# KiCad board poly_kb_molecule_5x4_wave.kicad_pcb (continued)
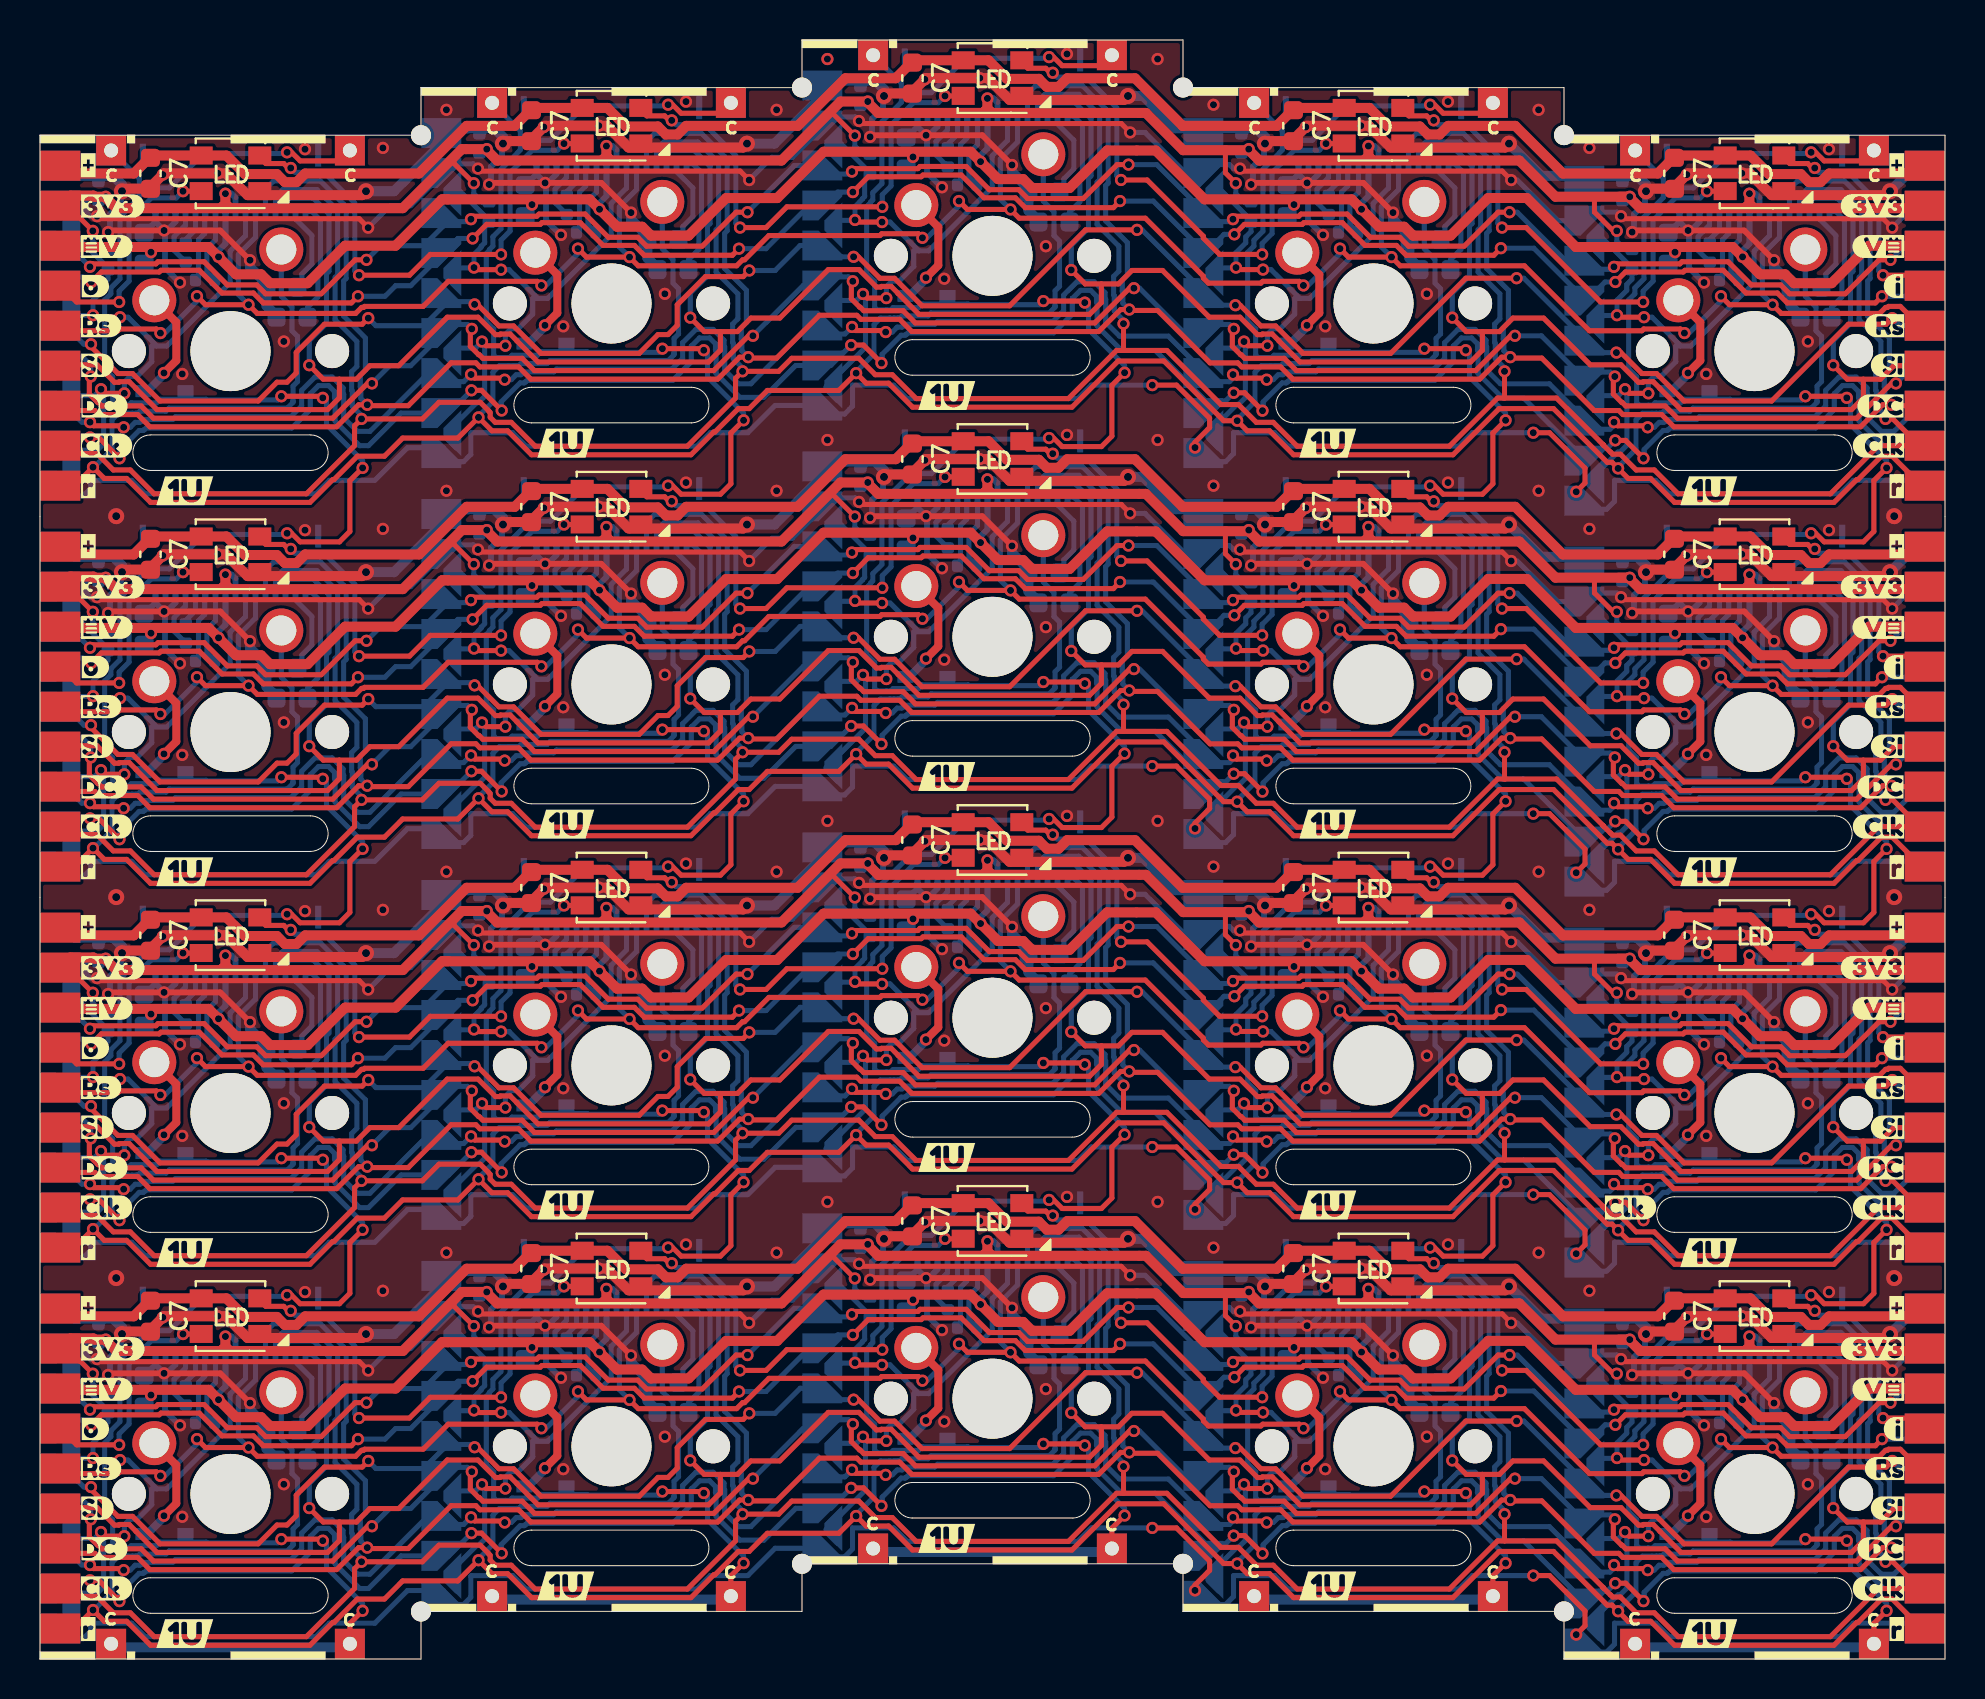
[diagram p0: board, top side]
## Placement (name value [footprint] x y rotation side) (continued)
kibuzzard-61EFDAC6#4  G***  [kibuzzard-61EFDAC6]  92.79 30.56 0 top
kibuzzard-61EFDAEE  G***  [kibuzzard-61EFDAEE]  3.05 28.58 0 top
kibuzzard-61EFDAEE#2  G***  [kibuzzard-61EFDAEE]  3.05 47.63 0 top
kibuzzard-61EFDAEE#3  G***  [kibuzzard-61EFDAEE]  3.05 66.68 0 top
kibuzzard-61EFDAEE#4  G***  [kibuzzard-61EFDAEE]  3.05 9.53 0 top
kibuzzard-61EFDD1E  G***  [kibuzzard-61EFDD1E]  7.24 20.32 0 top
kibuzzard-61EFDD1E#2  G***  [kibuzzard-61EFDD1E]  64.39 3.65 0 top
kibuzzard-61EFDD1E#3  G***  [kibuzzard-61EFDD1E]  64.39 22.7 0 top
kibuzzard-61EFDD1E#4  G***  [kibuzzard-61EFDD1E]  83.44 39.37 0 top
kibuzzard-61EFDD1E#5  G***  [kibuzzard-61EFDD1E]  7.24 58.42 0 top
kibuzzard-61EFDD1E#6  G***  [kibuzzard-61EFDD1E]  7.24 1.27 0 top
kibuzzard-61EFDD1E#7  G***  [kibuzzard-61EFDD1E]  64.39 41.75 0 top
kibuzzard-61EFDD1E#8  G***  [kibuzzard-61EFDD1E]  26.29 41.75 0 top
kibuzzard-61EFDD1E#9  G***  [kibuzzard-61EFDD1E]  64.39 60.8 0 top
kibuzzard-61EFDD1E#10  G***  [kibuzzard-61EFDD1E]  7.24 39.37 0 top
kibuzzard-61EFDD1E#11  G***  [kibuzzard-61EFDD1E]  45.34 6.03 0 top
kibuzzard-61EFDD1E#12  G***  [kibuzzard-61EFDD1E]  26.29 60.8 0 top
kibuzzard-61EFDD1E#13  G***  [kibuzzard-61EFDD1E]  45.34 44.13 0 top
kibuzzard-61EFDD1E#14  G***  [kibuzzard-61EFDD1E]  83.44 1.27 0 top
kibuzzard-61EFDD1E#15  G***  [kibuzzard-61EFDD1E]  45.34 25.08 0 top
kibuzzard-61EFDD1E#16  G***  [kibuzzard-61EFDD1E]  26.29 22.7 0 top
kibuzzard-61EFDD1E#17  G***  [kibuzzard-61EFDD1E]  26.29 3.65 0 top
kibuzzard-61EFDD1E#18  G***  [kibuzzard-61EFDD1E]  83.44 20.32 0 top
kibuzzard-61EFDD1E#19  G***  [kibuzzard-61EFDD1E]  45.34 63.18 0 top
kibuzzard-61EFDD1E#20  G***  [kibuzzard-61EFDD1E]  83.44 58.42 0 top
LED1  -  [WS2812B-Mini]  9.53 74.3 0 top
LED1#2  -  [WS2812B-Mini]  85.72 74.3 0 top
LED1#3  -  [WS2812B-Mini]  9.53 36.19 0 top
LED1#4  -  [WS2812B-Mini]  85.72 55.24 0 top
LED1#5  -  [WS2812B-Mini]  85.72 17.14 0 top
LED1#6  -  [WS2812B-Mini]  66.68 57.63 0 top
LED1#7  -  [WS2812B-Mini]  28.58 38.58 0 top
LED1#8  -  [WS2812B-Mini]  47.63 60.01 0 top
LED1#9  -  [WS2812B-Mini]  47.63 79.06 0 top
LED1#10  -  [WS2812B-Mini]  66.68 19.53 0 top
LED1#11  -  [WS2812B-Mini]  28.58 57.63 0 top
LED1#12  -  [WS2812B-Mini]  47.63 21.91 0 top
LED1#13  -  [WS2812B-Mini]  28.58 19.53 0 top
LED1#14  -  [WS2812B-Mini]  66.68 38.58 0 top
LED1#15  -  [WS2812B-Mini]  28.58 76.68 0 top
LED1#16  -  [WS2812B-Mini]  9.53 17.14 0 top
LED1#17  -  [WS2812B-Mini]  66.68 76.68 0 top
LED1#18  -  [WS2812B-Mini]  85.72 36.19 0 top
LED1#19  -  [WS2812B-Mini]  9.53 55.24 0 top
LED1#20  -  [WS2812B-Mini]  47.63 40.96 0 top
NOREF  -  [unnamed]  57.15 78.59 0 top
NOREF#2  -  [unnamed]  38.1 4.76 0 top
NOREF#3  -  [unnamed]  19.05 2.38 0 top
NOREF#4  -  [unnamed]  38.1 78.59 0 top
NOREF#5  -  [unnamed]  76.2 2.38 0 top
NOREF#6  -  [unnamed]  57.15 4.76 0 top
NOREF#7  -  [unnamed]  76.2 76.2 0 top
NOREF#8  -  [unnamed]  19.05 76.2 0 top
R1  1M  [R_0402_1005Metric]  79.6 31.86 270 bottom
R1#2  1M  [R_0402_1005Metric]  41.5 36.62 270 bottom
R1#3  1M  [R_0402_1005Metric]  3.4 31.86 270 bottom
R1#4  1M  [R_0402_1005Metric]  3.4 12.81 270 bottom
R1#5  1M  [R_0402_1005Metric]  79.6 50.91 270 bottom
R1#6  1M  [R_0402_1005Metric]  60.55 53.29 270 bottom
R1#7  1M  [R_0402_1005Metric]  22.45 15.19 270 bottom
R1#8  1M  [R_0402_1005Metric]  41.5 74.72 270 bottom
R1#9  1M  [R_0402_1005Metric]  60.55 15.19 270 bottom
R1#10  1M  [R_0402_1005Metric]  79.6 69.96 270 bottom
R1#11  1M  [R_0402_1005Metric]  60.55 72.34 270 bottom
R1#12  1M  [R_0402_1005Metric]  79.6 12.81 270 bottom
R1#13  1M  [R_0402_1005Metric]  3.4 69.96 270 bottom
R1#14  1M  [R_0402_1005Metric]  22.45 53.29 270 bottom
R1#15  1M  [R_0402_1005Metric]  41.5 17.57 270 bottom
R1#16  1M  [R_0402_1005Metric]  41.5 55.67 270 bottom
R1#17  1M  [R_0402_1005Metric]  3.4 50.91 270 bottom
R1#18  1M  [R_0402_1005Metric]  22.45 72.34 270 bottom
R1#19  1M  [R_0402_1005Metric]  60.55 34.24 270 bottom
R1#20  1M  [R_0402_1005Metric]  22.45 34.24 270 bottom
SW1  SW_Push  [SW_Cherry_MX_1.00u_PCB_NoSilk]  12.07 70.48 0 top
SW1#2  SW_Push  [SW_Cherry_MX_1.00u_PCB_NoSilk]  50.16 75.25 0 top
SW1#3  SW_Push  [SW_Cherry_MX_1.00u_PCB_NoSilk]  88.26 51.44 0 top
SW1#4  SW_Push  [SW_Cherry_MX_1.00u_PCB_NoSilk]  12.07 51.44 0 top
SW1#5  SW_Push  [SW_Cherry_MX_1.00u_PCB_NoSilk]  69.22 72.87 0 top
SW1#6  SW_Push  [SW_Cherry_MX_1.00u_PCB_NoSilk]  31.12 72.87 0 top
SW1#7  SW_Push  [SW_Cherry_MX_1.00u_PCB_NoSilk]  12.07 32.39 0 top
SW1#8  SW_Push  [SW_Cherry_MX_1.00u_PCB_NoSilk]  12.07 13.33 0 top
SW1#9  SW_Push  [SW_Cherry_MX_1.00u_PCB_NoSilk]  50.16 18.1 0 top
SW1#10  SW_Push  [SW_Cherry_MX_1.00u_PCB_NoSilk]  88.26 70.48 0 top
SW1#11  SW_Push  [SW_Cherry_MX_1.00u_PCB_NoSilk]  50.16 56.2 0 top
SW1#12  SW_Push  [SW_Cherry_MX_1.00u_PCB_NoSilk]  31.12 34.77 0 top
SW1#13  SW_Push  [SW_Cherry_MX_1.00u_PCB_NoSilk]  69.22 15.72 0 top
SW1#14  SW_Push  [SW_Cherry_MX_1.00u_PCB_NoSilk]  69.22 53.82 0 top
SW1#15  SW_Push  [SW_Cherry_MX_1.00u_PCB_NoSilk]  50.16 37.15 0 top
SW1#16  SW_Push  [SW_Cherry_MX_1.00u_PCB_NoSilk]  31.12 15.72 0 top
SW1#17  SW_Push  [SW_Cherry_MX_1.00u_PCB_NoSilk]  88.26 32.39 0 top
SW1#18  SW_Push  [SW_Cherry_MX_1.00u_PCB_NoSilk]  88.26 13.33 0 top
SW1#19  SW_Push  [SW_Cherry_MX_1.00u_PCB_NoSilk]  31.12 53.82 0 top
SW1#20  SW_Push  [SW_Cherry_MX_1.00u_PCB_NoSilk]  69.22 34.77 0 top

## Library data of the parts
C1 C1#2-C1#20 C2 C2#2-C2#20 = -: LCSC: C23630
C3 C3#2-C3#20 C5 C5#2-C5#20 C6 C6#2-C6#20 = -: LCSC: C52923
C4 C4#2-C4#20 C7 C7#2-C7#20 = -: LCSC: C19666
D1 D1#2-D1#20 = -: LCSC: C169468
J1 J1#2-J1#20 = -: LCSC: C561388
LED1 LED1#2-LED1#20 = -: LCSC: C527089

## Footprints (pads in the part's own frame, mm; a bottom-side part is the same pattern mirrored in y, then rotated)
AtomConnect2
  rect 1.5x2 smd: 1(-8,0) 2(-6,0) 3(-4,0) 4(-2,0) 5(0,0) 6(2,0) 7(4,0) 8(6,0) 9(8,0)
AtomConnectCS
  rect 1.5x2 smd: 1(-8,0)
  custom 1.5x2 smd: 2(-6,0.5) 3(-4,0.5) 4(-2,0.5) 5(0,0.5) 6(2,0.5) 7(4,0.5) 8(6,0.5) 9(8,0.5)
  custom 2.3x0.9 smd: 10(-5.5,-0.75) 10(-1.5,-0.75) 10(2.5,-0.75) 10(6.5,-0.75)
C_0402_1005Metric
  rrect 0.56x0.62 smd: 1(-0.48,0) 2(0.48,0)
C_0603_1608Metric
  rrect 0.9x0.95 smd: 1(-0.775,0) 2(0.775,0)
D_SOD-323Ext
  rect 0.8x0.6 smd: 1(-1.05,0) 2(1.05,0)
FPC_16_JUSHUO_AFC05_S16FIA_00
  rect 0.3x1.15 smd: 0(-4.385,-2.81) 0(4.385,-2.81)
  rect 0.3x0.65 smd: 1(-3.75,0) 2(-3.25,0) 3(-2.75,0) 4(-2.25,0) 5(-1.75,0) 6(-1.25,0) 7(-0.75,0) 8(-0.25,0) 9(0.25,0) 10(0.75,0) 11(1.25,0) 12(1.75,0) 13(2.25,0) 14(2.75,0) 15(3.25,0) 16(3.75,0)
R_0402_1005Metric
  rrect 0.54x0.64 smd: 1(-0.51,0) 2(0.51,0)
SW_Cherry_MX_1.00u_PCB_NoSilk
  round 1.7 hole 1.7 unplated: (-7.62,-5.08) (2.54,-5.08)
  round 4 hole 4 unplated: (-2.54,-5.08)
  round 2.2 hole 1.5: 1(0,0) 2(-6.35,-2.54)
TestPoin_1.5x1.5mm_Drill0.7mm
  rect 1.5x1.5 hole 0.7: 1(0,0)
unnamed
  round 1 hole 1 unplated: (0,0)
WS2812B-Mini
  rect 1.15x0.9 smd: 1(-1.465,0.89) 2(-1.465,-0.89) 3(1.465,-0.89) 4(1.465,0.89)

## Nets
/Keyboard/sheet605ED2EB/3V3: C3.1 C3#2.1 C3#3.1 C3#4.1 C3#5.1 C3#6.1 C3#7.1 C3#8.1 C3#9.1 C3#10.1 C3#11.1 C3#12.1 C3#13.1 C3#14.1 C3#15.1 C3#16.1 C3#17.1 C3#18.1 C3#19.1 C3#20.1 J1.9 J1#2.9 J1#3.9 J1#4.9 J1#5.9 J1#6.9 J1#7.9 J1#8.9 J1#9.9 J1#10.9 J1#11.9 J1#12.9 J1#13.9 J1#14.9 J1#15.9 J1#16.9 J1#17.9 J1#18.9 J1#19.9 J1#20.9 J3.2 J3#2.2 J3#3.2 J3#4.2 J4.2 J4#2.2 J4#3.2 J4#4.2 R1.1 R1#2.1 R1#3.1 R1#4.1 R1#5.1 R1#6.1 R1#7.1 R1#8.1 R1#9.1 R1#10.1 R1#11.1 R1#12.1 R1#13.1 R1#14.1 R1#15.1 R1#16.1 R1#17.1 R1#18.1 R1#19.1 R1#20.1
/Keyboard/sheet605ED2EB/4V2: C2.1 C2#2.1 C2#3.1 C2#4.1 C2#5.1 C2#6.1 C2#7.1 C2#8.1 C2#9.1 C2#10.1 C2#11.1 C2#12.1 C2#13.1 C2#14.1 C2#15.1 C2#16.1 C2#17.1 C2#18.1 C2#19.1 C2#20.1 J1.8 J1#2.8 J1#3.8 J1#4.8 J1#5.8 J1#6.8 J1#7.8 J1#8.8 J1#9.8 J1#10.8 J1#11.8 J1#12.8 J1#13.8 J1#14.8 J1#15.8 J1#16.8 J1#17.8 J1#18.8 J1#19.8 J1#20.8 J3.3 J3#2.3 J3#3.3 J3#4.3 J4.3 J4#2.3 J4#3.3 J4#4.3
/Keyboard/sheet605ED2EB/5V: C7.1 C7#2.1 C7#3.1 C7#4.1 C7#5.1 C7#6.1 C7#7.1 C7#8.1 C7#9.1 C7#10.1 C7#11.1 C7#12.1 C7#13.1 C7#14.1 C7#15.1 C7#16.1 C7#17.1 C7#18.1 C7#19.1 C7#20.1 J3.1 J3#2.1 J3#3.1 J3#4.1 J4.1 J4#2.1 J4#3.1 J4#4.1 LED1.1 LED1#2.1 LED1#3.1 LED1#4.1 LED1#5.1 LED1#6.1 LED1#7.1 LED1#8.1 LED1#9.1 LED1#10.1 LED1#11.1 LED1#12.1 LED1#13.1 LED1#14.1 LED1#15.1 LED1#16.1 LED1#17.1 LED1#18.1 LED1#19.1 LED1#20.1
/Keyboard/sheet605ED2EB/GND: C1.2 C1#2.2 C1#3.2 C1#4.2 C1#5.2 C1#6.2 C1#7.2 C1#8.2 C1#9.2 C1#10.2 C1#11.2 C1#12.2 C1#13.2 C1#14.2 C1#15.2 C1#16.2 C1#17.2 C1#18.2 C1#19.2 C1#20.2 C2.2 C2#2.2 C2#3.2 C2#4.2 C2#5.2 C2#6.2 C2#7.2 C2#8.2 C2#9.2 C2#10.2 C2#11.2 C2#12.2 C2#13.2 C2#14.2 C2#15.2 C2#16.2 C2#17.2 C2#18.2 C2#19.2 C2#20.2 C3.2 C3#2.2 C3#3.2 C3#4.2 C3#5.2 C3#6.2 C3#7.2 C3#8.2 C3#9.2 C3#10.2 C3#11.2 C3#12.2 C3#13.2 C3#14.2 C3#15.2 C3#16.2 C3#17.2 C3#18.2 C3#19.2 C3#20.2 C4.2 C4#2.2 C4#3.2 C4#4.2 C4#5.2 C4#6.2 C4#7.2 C4#8.2 C4#9.2 C4#10.2 C4#11.2 C4#12.2 C4#13.2 C4#14.2 C4#15.2 C4#16.2 C4#17.2 C4#18.2 C4#19.2 C4#20.2 C7.2 C7#2.2 C7#3.2 C7#4.2 C7#5.2 C7#6.2 C7#7.2 C7#8.2 C7#9.2 C7#10.2 C7#11.2 C7#12.2 C7#13.2 C7#14.2 C7#15.2 C7#16.2 C7#17.2 C7#18.2 C7#19.2 C7#20.2 J1.1 J1.3 J1#2.1 J1#2.3 J1#3.1 J1#3.3 J1#4.1 J1#4.3 J1#5.1 J1#5.3 J1#6.1 J1#6.3 J1#7.1 J1#7.3 J1#8.1 J1#8.3 J1#9.1 J1#9.3 J1#10.1 J1#10.3 J1#11.1 J1#11.3 J1#12.1 J1#12.3 J1#13.1 J1#13.3 J1#14.1 J1#14.3 J1#15.1 J1#15.3 J1#16.1 J1#16.3 J1#17.1 J1#17.3 J1#18.1 J1#18.3 J1#19.1 J1#19.3 J1#20.1 J1#20.3 J5.1 J5#2.1 J5#3.1 J5#4.1 J5#5.1 J5#6.1 J5#7.1 J5#8.1 J5#9.1 J5#10.1 J5#11.1 J5#12.1 J5#13.1 J5#14.1 J5#15.1 J5#16.1 J5#17.1 J5#18.1 J5#19.1 J5#20.1 J6.1 J6#2.1 J6#3.1 J6#4.1 LED1.3 LED1#2.3 LED1#3.3 LED1#4.3 LED1#5.3 LED1#6.3 LED1#7.3 LED1#8.3 LED1#9.3 LED1#10.3 LED1#11.3 LED1#12.3 LED1#13.3 LED1#14.3 LED1#15.3 LED1#16.3 LED1#17.3 LED1#18.3 LED1#19.3 LED1#20.3
/Keyboard/sheet605ED2EB/CS: J1.10 J1#2.10 J1#3.10 J1#4.10 J1#5.10 J1#6.10 J1#7.10 J1#8.10 J1#9.10 J1#10.10 J1#11.10 J1#12.10 J1#13.10 J1#14.10 J1#15.10 J1#16.10 J1#17.10 J1#18.10 J1#19.10 J1#20.10 J5.10 J5#2.10 J5#3.10 J5#4.10 J5#5.10 J5#6.10 J5#7.10 J5#8.10 J5#9.10 J5#10.10 J5#11.10 J5#12.10 J5#13.10 J5#14.10 J5#15.10 J5#16.10 J5#17.10 J5#18.10 J5#19.10 J5#20.10 R1.2 R1#2.2 R1#3.2 R1#4.2 R1#5.2 R1#6.2 R1#7.2 R1#8.2 R1#9.2 R1#10.2 R1#11.2 R1#12.2 R1#13.2 R1#14.2 R1#15.2 R1#16.2 R1#17.2 R1#18.2 R1#19.2 R1#20.2
/Keyboard/sheet605ED2EB/D-C: J1.12 J1#2.12 J1#3.12 J1#4.12 J1#5.12 J1#6.12 J1#7.12 J1#8.12 J1#9.12 J1#10.12 J1#11.12 J1#12.12 J1#13.12 J1#14.12 J1#15.12 J1#16.12 J1#17.12 J1#18.12 J1#19.12 J1#20.12 J3.7 J3#2.7 J3#3.7 J3#4.7 J4.7 J4#2.7 J4#3.7 J4#4.7
/Keyboard/sheet605ED2EB/KeyCol: D1.1 D1#2.1 D1#3.1 D1#4.1 D1#5.1 D1#6.1 D1#7.1 D1#8.1 D1#9.1 D1#10.1 D1#11.1 D1#12.1 D1#13.1 D1#14.1 D1#15.1 D1#16.1 D1#17.1 D1#18.1 D1#19.1 D1#20.1 J2.1 J2#2.1 J2#3.1 J2#4.1 J2#5.1 J7.1 J7#2.1 J7#3.1 J7#4.1 J7#5.1 J8.1 J8#2.1 J8#3.1 J8#4.1 J8#5.1 J9.1 J9#2.1 J9#3.1 J9#4.1 J9#5.1
/Keyboard/sheet605ED2EB/KeyRow: J3.9 J3#2.9 J3#3.9 J3#4.9 J4.9 J4#2.9 J4#3.9 J4#4.9 SW1.1 SW1#2.1 SW1#3.1 SW1#4.1 SW1#5.1 SW1#6.1 SW1#7.1 SW1#8.1 SW1#9.1 SW1#10.1 SW1#11.1 SW1#12.1 SW1#13.1 SW1#14.1 SW1#15.1 SW1#16.1 SW1#17.1 SW1#18.1 SW1#19.1 SW1#20.1
/Keyboard/sheet605ED2EB/LED_DIN: J3.4 J3#2.4 J3#3.4 J3#4.4 J4.4 J4#2.4 J4#3.4 J4#4.4 LED1.2 LED1.4 LED1#2.2 LED1#2.4 LED1#3.2 LED1#3.4 LED1#4.2 LED1#4.4 LED1#5.2 LED1#5.4 LED1#6.2 LED1#6.4 LED1#7.2 LED1#7.4 LED1#8.2 LED1#8.4 LED1#9.2 LED1#9.4 LED1#10.2 LED1#10.4 LED1#11.2 LED1#11.4 LED1#12.2 LED1#12.4 LED1#13.2 LED1#13.4 LED1#14.2 LED1#14.4 LED1#15.2 LED1#15.4 LED1#16.2 LED1#16.4 LED1#17.2 LED1#17.4 LED1#18.2 LED1#18.4 LED1#19.2 LED1#19.4 LED1#20.2 LED1#20.4
/Keyboard/sheet605ED2EB/RESET: J1.11 J1#2.11 J1#3.11 J1#4.11 J1#5.11 J1#6.11 J1#7.11 J1#8.11 J1#9.11 J1#10.11 J1#11.11 J1#12.11 J1#13.11 J1#14.11 J1#15.11 J1#16.11 J1#17.11 J1#18.11 J1#19.11 J1#20.11 J3.5 J3#2.5 J3#3.5 J3#4.5 J4.5 J4#2.5 J4#3.5 J4#4.5
/Keyboard/sheet605ED2EB/SCLK: J1.13 J1#2.13 J1#3.13 J1#4.13 J1#5.13 J1#6.13 J1#7.13 J1#8.13 J1#9.13 J1#10.13 J1#11.13 J1#12.13 J1#13.13 J1#14.13 J1#15.13 J1#16.13 J1#17.13 J1#18.13 J1#19.13 J1#20.13 J3.8 J3#2.8 J3#3.8 J3#4.8 J4.8 J4#2.8 J4#3.8 J4#4.8
/Keyboard/sheet605ED2EB/SDIN: J1.14 J1#2.14 J1#3.14 J1#4.14 J1#5.14 J1#6.14 J1#7.14 J1#8.14 J1#9.14 J1#10.14 J1#11.14 J1#12.14 J1#13.14 J1#14.14 J1#15.14 J1#16.14 J1#17.14 J1#18.14 J1#19.14 J1#20.14 J3.6 J3#2.6 J3#3.6 J3#4.6 J4.6 J4#2.6 J4#3.6 J4#4.6
CS1: J5.2 J5#2.2 J5#3.2 J5#4.2 J5#5.2 J5#6.2 J5#7.2 J5#8.2 J5#9.2 J5#10.2 J5#11.2 J5#12.2 J5#13.2 J5#14.2 J5#15.2 J5#16.2 J5#17.2 J5#18.2 J5#19.2 J5#20.2 J6.2 J6#2.2 J6#3.2 J6#4.2
CS2: J5.3 J5#2.3 J5#3.3 J5#4.3 J5#5.3 J5#6.3 J5#7.3 J5#8.3 J5#9.3 J5#10.3 J5#11.3 J5#12.3 J5#13.3 J5#14.3 J5#15.3 J5#16.3 J5#17.3 J5#18.3 J5#19.3 J5#20.3 J6.3 J6#2.3 J6#3.3 J6#4.3
CS3: J5.4 J5#2.4 J5#3.4 J5#4.4 J5#5.4 J5#6.4 J5#7.4 J5#8.4 J5#9.4 J5#10.4 J5#11.4 J5#12.4 J5#13.4 J5#14.4 J5#15.4 J5#16.4 J5#17.4 J5#18.4 J5#19.4 J5#20.4 J6.4 J6#2.4 J6#3.4 J6#4.4
CS4: J5.5 J5#2.5 J5#3.5 J5#4.5 J5#5.5 J5#6.5 J5#7.5 J5#8.5 J5#9.5 J5#10.5 J5#11.5 J5#12.5 J5#13.5 J5#14.5 J5#15.5 J5#16.5 J5#17.5 J5#18.5 J5#19.5 J5#20.5 J6.5 J6#2.5 J6#3.5 J6#4.5
CS5: J5.6 J5#2.6 J5#3.6 J5#4.6 J5#5.6 J5#6.6 J5#7.6 J5#8.6 J5#9.6 J5#10.6 J5#11.6 J5#12.6 J5#13.6 J5#14.6 J5#15.6 J5#16.6 J5#17.6 J5#18.6 J5#19.6 J5#20.6 J6.6 J6#2.6 J6#3.6 J6#4.6
CS6: J5.7 J5#2.7 J5#3.7 J5#4.7 J5#5.7 J5#6.7 J5#7.7 J5#8.7 J5#9.7 J5#10.7 J5#11.7 J5#12.7 J5#13.7 J5#14.7 J5#15.7 J5#16.7 J5#17.7 J5#18.7 J5#19.7 J5#20.7 J6.7 J6#2.7 J6#3.7 J6#4.7
CS7: J5.8 J5#2.8 J5#3.8 J5#4.8 J5#5.8 J5#6.8 J5#7.8 J5#8.8 J5#9.8 J5#10.8 J5#11.8 J5#12.8 J5#13.8 J5#14.8 J5#15.8 J5#16.8 J5#17.8 J5#18.8 J5#19.8 J5#20.8 J6.8 J6#2.8 J6#3.8 J6#4.8
CS8: J5.9 J5#2.9 J5#3.9 J5#4.9 J5#5.9 J5#6.9 J5#7.9 J5#8.9 J5#9.9 J5#10.9 J5#11.9 J5#12.9 J5#13.9 J5#14.9 J5#15.9 J5#16.9 J5#17.9 J5#18.9 J5#19.9 J5#20.9 J6.9 J6#2.9 J6#3.9 J6#4.9
Net-(C1-Pad1): C1.1 C1#2.1 C1#3.1 C1#4.1 C1#5.1 C1#6.1 C1#7.1 C1#8.1 C1#9.1 C1#10.1 C1#11.1 C1#12.1 C1#13.1 C1#14.1 C1#15.1 C1#16.1 C1#17.1 C1#18.1 C1#19.1 C1#20.1 J1.16 J1#2.16 J1#3.16 J1#4.16 J1#5.16 J1#6.16 J1#7.16 J1#8.16 J1#9.16 J1#10.16 J1#11.16 J1#12.16 J1#13.16 J1#14.16 J1#15.16 J1#16.16 J1#17.16 J1#18.16 J1#19.16 J1#20.16
Net-(C4-Pad1): C4.1 C4#2.1 C4#3.1 C4#4.1 C4#5.1 C4#6.1 C4#7.1 C4#8.1 C4#9.1 C4#10.1 C4#11.1 C4#12.1 C4#13.1 C4#14.1 C4#15.1 C4#16.1 C4#17.1 C4#18.1 C4#19.1 C4#20.1 J1.15 J1#2.15 J1#3.15 J1#4.15 J1#5.15 J1#6.15 J1#7.15 J1#8.15 J1#9.15 J1#10.15 J1#11.15 J1#12.15 J1#13.15 J1#14.15 J1#15.15 J1#16.15 J1#17.15 J1#18.15 J1#19.15 J1#20.15
Net-(C5-Pad1): C5.1 C5#2.1 C5#3.1 C5#4.1 C5#5.1 C5#6.1 C5#7.1 C5#8.1 C5#9.1 C5#10.1 C5#11.1 C5#12.1 C5#13.1 C5#14.1 C5#15.1 C5#16.1 C5#17.1 C5#18.1 C5#19.1 C5#20.1 J1.4 J1#2.4 J1#3.4 J1#4.4 J1#5.4 J1#6.4 J1#7.4 J1#8.4 J1#9.4 J1#10.4 J1#11.4 J1#12.4 J1#13.4 J1#14.4 J1#15.4 J1#16.4 J1#17.4 J1#18.4 J1#19.4 J1#20.4
Net-(C5-Pad2): C5.2 C5#2.2 C5#3.2 C5#4.2 C5#5.2 C5#6.2 C5#7.2 C5#8.2 C5#9.2 C5#10.2 C5#11.2 C5#12.2 C5#13.2 C5#14.2 C5#15.2 C5#16.2 C5#17.2 C5#18.2 C5#19.2 C5#20.2 J1.5 J1#2.5 J1#3.5 J1#4.5 J1#5.5 J1#6.5 J1#7.5 J1#8.5 J1#9.5 J1#10.5 J1#11.5 J1#12.5 J1#13.5 J1#14.5 J1#15.5 J1#16.5 J1#17.5 J1#18.5 J1#19.5 J1#20.5
Net-(C6-Pad1): C6.1 C6#2.1 C6#3.1 C6#4.1 C6#5.1 C6#6.1 C6#7.1 C6#8.1 C6#9.1 C6#10.1 C6#11.1 C6#12.1 C6#13.1 C6#14.1 C6#15.1 C6#16.1 C6#17.1 C6#18.1 C6#19.1 C6#20.1 J1.6 J1#2.6 J1#3.6 J1#4.6 J1#5.6 J1#6.6 J1#7.6 J1#8.6 J1#9.6 J1#10.6 J1#11.6 J1#12.6 J1#13.6 J1#14.6 J1#15.6 J1#16.6 J1#17.6 J1#18.6 J1#19.6 J1#20.6
Net-(C6-Pad2): C6.2 C6#2.2 C6#3.2 C6#4.2 C6#5.2 C6#6.2 C6#7.2 C6#8.2 C6#9.2 C6#10.2 C6#11.2 C6#12.2 C6#13.2 C6#14.2 C6#15.2 C6#16.2 C6#17.2 C6#18.2 C6#19.2 C6#20.2 J1.7 J1#2.7 J1#3.7 J1#4.7 J1#5.7 J1#6.7 J1#7.7 J1#8.7 J1#9.7 J1#10.7 J1#11.7 J1#12.7 J1#13.7 J1#14.7 J1#15.7 J1#16.7 J1#17.7 J1#18.7 J1#19.7 J1#20.7
Net-(D1-Pad2): D1.2 D1#2.2 D1#3.2 D1#4.2 D1#5.2 D1#6.2 D1#7.2 D1#8.2 D1#9.2 D1#10.2 D1#11.2 D1#12.2 D1#13.2 D1#14.2 D1#15.2 D1#16.2 D1#17.2 D1#18.2 D1#19.2 D1#20.2 SW1.2 SW1#2.2 SW1#3.2 SW1#4.2 SW1#5.2 SW1#6.2 SW1#7.2 SW1#8.2 SW1#9.2 SW1#10.2 SW1#11.2 SW1#12.2 SW1#13.2 SW1#14.2 SW1#15.2 SW1#16.2 SW1#17.2 SW1#18.2 SW1#19.2 SW1#20.2

Pads without a net: J1 0 2; J1#2 0 2; J1#3 0 2; J1#4 0 2; J1#5 0 2; J1#6 0 2; J1#7 0 2; J1#8 0 2; J1#9 0 2; J1#10 0 2; J1#11 0 2; J1#12 0 2; J1#13 0 2; J1#14 0 2; J1#15 0 2; J1#16 0 2; J1#17 0 2; J1#18 0 2; J1#19 0 2; J1#20 0 2

## Via types
v1: diameter 0.61, hole 0.356, Top to Bottom, 1008 vias
v2: diameter 0.8, hole 0.4, Top to Bottom, 46 vias

## Routing (per net, layer and track width the routed paths; a pad name or vN(x,y) marks a point on that pad's centre or on a via; arc(x,y) is an arc through that point)
/Keyboard/sheet605ED2EB/3V3: length 533.8
  Top w0.25: v1(78.84,14.27) 78.66,14.27 77.72,15.21 77.72,16.03 ; v1(2.64,71.42) 1.38,72.67 J3.2 ; v1(2.64,14.27) 1.38,15.53 J3#2.2 ; v1(78.84,33.32) 78.66,33.32 77.72,34.26 77.72,35.08 ; 39.48,77.44 v1(40.74,76.18) ; 77.72,54.13 77.72,53.31 78.66,52.37 v1(78.84,52.37) ; v1(59.79,54.75) 59.27,55.27 59.27,56.4 ; v1(78.84,71.42) 78.66,71.42 77.72,72.36 77.72,73.18 ; 21.3,18.35 21.1,18.35 20.7,17.95 20.7,17.64 v1(21.69,16.65) ; v1(59.79,35.7) 59.27,36.22 59.27,37.35 ; 39.48,20.29 v1(40.74,19.03) ; v1(59.79,73.8) 59.27,74.32 59.27,75.45 ; v1(21.69,35.7) 20.7,36.69 20.7,37 21.1,37.4 21.3,37.4 ; J3#4.2 1.38,34.58 v1(2.64,33.32) ; 59.27,18.3 59.27,17.17 v1(59.79,16.65) ; v1(21.69,54.75) 20.7,55.74 20.7,56.05 21.1,56.45 21.3,56.45 ; 21.3,75.5 21.1,75.5 20.7,75.1 20.7,74.79 v1(21.69,73.8) ; J3#3.2 1.38,53.62 v1(2.64,52.37) ; 39.48,58.39 v1(40.74,57.13) ; 39.48,39.34 v1(40.74,38.08)
  Top w0.3: 1.51,16.02 J3#2.2 ; 1.51,54.12 J3#3.2 ; 1.51,73.17 J3.2 ; 1.51,35.07 J3#4.2
  Top w0.5: 47.23,20.24 47.18,20.19 ; 47.23,20.24 47.37,20.38 ; 47.23,20.24 47.52,20.24 47.37,20.38 ; v1(28.32,75.66) 28.32,75.15 ; 28.32,75.15 28.47,75.01 28.18,75.01 ; 28.32,75.15 28.18,75.01 ; v1(85.47,35.18) 85.47,34.67 ; 85.47,34.67 85.62,34.53 85.33,34.53 ; 85.47,34.67 85.33,34.53 ; v1(66.42,75.66) 66.42,75.15 ; 66.42,75.15 66.57,75.01 66.28,75.01 ; 66.42,75.15 66.28,75.01 ; 28.32,56.1 28.18,55.96 ; 28.32,56.1 v1(28.32,56.61) ; 28.32,56.1 28.47,55.96 28.18,55.96 ; 28.18,55.96 28.13,55.91 ; 66.42,56.1 66.28,55.96 ; 66.42,56.1 66.57,55.96 66.28,55.96 ; 66.42,56.1 v1(66.42,56.61) ; 66.28,55.96 66.23,55.91 ; J4#2.2 94.11,34.45 80.01,34.45 79.49,34.98 v1(79.49,35.02) ; v1(79.49,15.97) 75.78,15.97 73.97,17.78 60.96,17.78 60.44,18.31 v1(60.44,18.35) 60.38,18.3 57.16,18.3 55.3,20.16 41.91,20.16 41.39,20.69 v1(41.39,20.74) 40.03,20.74 37.08,17.78 22.86,17.78 22.34,18.31 v1(22.34,18.35) 21.09,18.35 18.14,15.4 3.81,15.4 3.29,15.93 v1(3.29,15.97) 2.72,15.97 2.67,16.03 1.52,16.03 J3#2.2 ; v1(79.49,15.97) 78.92,15.97 ; v1(79.49,15.97) 79.49,15.93 80.01,15.4 94.11,15.4 J4.2 ; 47.23,77.39 47.18,77.34 ; 47.23,77.39 47.37,77.53 ; 47.23,77.39 47.52,77.39 47.37,77.53 ; v1(9.27,73.28) 9.27,72.77 ; 9.27,72.77 9.13,72.63 ; 9.27,72.77 9.42,72.63 9.13,72.63 ; 28.18,75.01 28.13,74.96 ; v1(85.47,54.23) 85.47,53.72 ; 85.47,53.72 85.62,53.58 85.33,53.58 ; 85.47,53.72 85.33,53.58 ; v1(85.47,16.13) 85.47,15.62 ; 85.47,15.62 85.62,15.48 85.33,15.48 ; 85.47,15.62 85.33,15.48 ; v1(47.37,20.89) 47.37,20.38 ; 85.33,15.48 85.28,15.43 ; 9.27,15.62 9.42,15.48 9.13,15.48 ; 9.27,15.62 9.13,15.48 ; 9.27,15.62 v1(9.27,16.13) ; 47.37,77.53 v1(47.37,78.04) ; 9.13,53.58 9.42,53.58 9.27,53.72 ; 9.13,53.58 9.08,53.53 ; 9.13,53.58 9.27,53.72 ; v1(28.32,37.56) 28.32,37.05 ; 28.32,37.05 28.18,36.91 ; 28.32,37.05 28.47,36.91 28.18,36.91 ; 78.92,54.07 v1(79.49,54.07) ; v1(79.49,54.07) 75.78,54.07 73.97,55.88 60.96,55.88 60.44,56.41 v1(60.44,56.45) 60.38,56.4 57.16,56.4 55.3,58.26 41.91,58.26 41.39,58.79 v1(41.39,58.84) 40.03,58.84 37.08,55.88 22.86,55.88 22.34,56.41 v1(22.34,56.45) 21.09,56.45 18.14,53.5 3.81,53.5 3.29,54.03 v1(3.29,54.07) 2.72,54.07 2.67,54.13 1.52,54.13 J3#3.2 ; v1(79.49,54.07) 79.49,54.03 80.01,53.5 94.11,53.5 J4#3.2 ; v1(28.32,18.51) 28.32,18 ; 28.32,18 28.18,17.86 ; 28.32,18 28.47,17.86 28.18,17.86 ; v1(9.27,54.23) 9.27,53.72 ; 9.13,34.53 9.08,34.48 ; 9.13,34.53 9.27,34.67 ; 9.13,34.53 9.42,34.53 9.27,34.67 ; 66.28,36.91 66.57,36.91 66.42,37.05 ; 66.28,36.91 66.23,36.86 ; 66.28,36.91 66.42,37.05 ; 9.13,72.63 9.08,72.58 ; 66.28,17.86 66.23,17.81 ; 66.28,17.86 66.42,18 ; 66.28,17.86 66.57,17.86 66.42,18 ; 9.13,15.48 9.08,15.43 ; 85.33,53.58 85.28,53.53 ; 78.92,35.02 v1(79.49,35.02) ; v1(79.49,35.02) 75.78,35.02 73.97,36.83 60.96,36.83 60.44,37.36 v1(60.44,37.4) 60.38,37.35 57.16,37.35 55.3,39.21 41.91,39.21 41.39,39.74 v1(41.39,39.79) 40.03,39.79 37.08,36.83 22.86,36.83 22.34,37.36 v1(22.34,37.4) 21.09,37.4 18.14,34.45 3.81,34.45 3.29,34.98 v1(3.29,35.02) 2.72,35.02 2.67,35.08 1.52,35.08 J3#4.2 ; 1.27,15.53 1.47,15.72 ; v1(66.42,37.56) 66.42,37.05 ; 47.23,39.29 47.18,39.24 ; 47.23,39.29 47.37,39.43 ; 47.23,39.29 47.52,39.29 47.37,39.43 ; 28.18,17.86 28.13,17.81 ; 85.47,72.77 85.62,72.63 85.33,72.63 ; 85.47,72.77 v1(85.47,73.28) ; 85.47,72.77 85.33,72.63 ; v1(66.42,18.51) 66.42,18 ; 47.37,58.48 47.23,58.34 ; 47.37,58.48 47.52,58.34 47.23,58.34 ; 47.37,58.48 v1(47.37,58.99) ; 47.23,58.34 47.18,58.29 ; 66.28,75.01 66.23,74.96 ; 85.33,72.63 85.28,72.58 ; 28.18,36.91 28.13,36.86 ; 9.27,34.67 v1(9.27,35.18) ; J3.2 1.52,73.18 2.67,73.18 2.72,73.12 v1(3.29,73.12) 3.29,73.08 3.81,72.55 18.14,72.55 21.09,75.5 v1(22.34,75.5) 22.34,75.46 22.86,74.93 37.08,74.93 40.03,77.89 v1(41.39,77.89) 41.39,77.84 41.91,77.31 55.3,77.31 57.16,75.45 60.38,75.45 v1(60.44,75.5) 60.44,75.46 60.96,74.93 73.97,74.93 75.78,73.12 v1(79.49,73.12) ; 85.33,34.53 85.28,34.48 ; 1.27,72.67 1.47,72.87 ; 47.37,39.43 v1(47.37,39.94) ; v1(79.49,73.12) 79.49,73.08 80.01,72.55 94.11,72.55 J4#4.2 ; v1(79.49,73.12) 78.92,73.12 ; 1.27,53.62 1.47,53.82 ; 1.27,34.58 1.47,34.77
  Bottom w0.25: 22.49,34.75 22.12,34.75 21.69,35.18 v1(21.69,35.7) ; 60.59,53.8 60.22,53.8 59.79,54.23 v1(59.79,54.75) ; 79.64,70.47 79.27,70.47 78.84,70.9 v1(78.84,71.42) ; v1(59.79,35.7) 59.79,35.18 60.22,34.75 60.59,34.75 ; 79.64,32.37 79.27,32.37 78.84,32.8 v1(78.84,33.32) ; v1(2.64,71.42) 2.64,70.9 3.07,70.47 3.44,70.47 ; v1(21.69,54.75) 21.69,54.23 22.12,53.8 22.49,53.8 ; 79.64,51.42 79.27,51.42 78.84,51.85 v1(78.84,52.37) ; 22.49,72.85 22.12,72.85 21.69,73.28 v1(21.69,73.8) ; v1(2.64,52.37) 2.64,51.85 3.07,51.42 3.44,51.42 ; 79.64,13.32 79.27,13.32 78.84,13.75 v1(78.84,14.27) ; 22.49,15.7 22.12,15.7 21.69,16.13 v1(21.69,16.65) ; v1(2.64,33.32) 2.64,32.8 3.07,32.37 3.44,32.37 ; 41.54,18.08 41.17,18.08 40.74,18.51 v1(40.74,19.03) ; v1(40.74,76.18) 40.74,75.66 41.17,75.23 41.54,75.23 ; 60.59,15.7 60.22,15.7 59.79,16.13 v1(59.79,16.65) ; v1(40.74,38.08) 40.74,37.56 41.17,37.13 41.54,37.13 ; 60.59,72.85 60.22,72.85 59.79,73.28 v1(59.79,73.8) ; 41.54,56.18 41.17,56.18 40.74,56.61 v1(40.74,57.13) ; v1(2.64,14.27) 2.64,13.75 3.07,13.32 3.44,13.32
  Bottom w0.3: v1(47.37,20.89) 47.67,20.89 47.88,20.69 J1#16.9 ; C3#19.1 60.24,37.21 v1(60.44,37.4) ; J1#8.9 66.93,37.36 66.72,37.56 v1(66.42,37.56) ; v1(85.47,54.23) 85.77,54.23 85.97,54.02 J1#18.9 ; v1(47.37,78.04) 47.67,78.04 47.88,77.84 J1#4.9 ; J1#20.9 28.83,56.41 28.62,56.61 v1(28.32,56.61) ; v1(60.44,56.45) 60.24,56.26 C3#6.1 ; C3.1 3.09,72.93 v1(3.29,73.12) ; v1(22.34,18.35) 22.14,18.16 C3#16.1 ; C3#10.1 79.29,72.93 v1(79.49,73.12) ; J1#6.9 85.97,73.08 85.77,73.28 v1(85.47,73.28) ; C3#3.1 22.14,56.26 v1(22.34,56.45) ; v1(22.34,75.5) 22.14,75.31 C3#2.1 ; v1(9.27,54.23) 9.57,54.23 9.78,54.02 J1#7.9 ; J1#15.9 9.78,15.92 9.57,16.13 v1(9.27,16.13) ; v1(66.42,75.66) 66.72,75.66 66.93,75.46 J1#17.9 ; v1(22.34,37.4) 22.14,37.21 C3#7.1 ; C3#5.1 41.19,20.54 v1(41.39,20.74) ; v1(79.49,35.02) 79.29,34.83 C3#12.1 ; v1(3.29,54.07) 3.09,53.88 C3#20.1 ; C3#15.1 41.19,39.59 v1(41.39,39.79) ; J1.9 9.78,73.08 9.57,73.28 v1(9.27,73.28) ; v1(3.29,35.02) 3.09,34.83 C3#11.1 ; v1(47.37,58.99) 47.67,58.99 47.88,58.79 J1#3.9 ; v1(85.47,16.13) 85.77,16.13 85.97,15.92 J1#19.9 ; v1(66.42,56.61) 66.72,56.61 66.93,56.41 J1#2.9 ; v1(66.42,18.51) 66.72,18.51 66.93,18.31 J1#13.9 ; v1(28.32,75.66) 28.62,75.66 28.83,75.46 J1#12.9 ; J1#11.9 9.78,34.97 9.57,35.18 v1(9.27,35.18) ; C3#14.1 60.24,18.16 v1(60.44,18.35) ; C3#8.1 60.24,75.31 v1(60.44,75.5) ; v1(47.37,39.94) 47.67,39.94 47.88,39.74 J1#9.9 ; v1(41.39,58.84) 41.19,58.64 C3#9.1 ; v1(28.32,37.56) 28.62,37.56 28.83,37.36 J1#5.9 ; J1#14.9 85.97,34.97 85.77,35.18 v1(85.47,35.18) ; J1#10.9 28.83,18.31 28.62,18.51 v1(28.32,18.51) ; C3#18.1 79.29,15.78 v1(79.49,15.97) ; C3#4.1 41.19,77.69 v1(41.39,77.89) ; v1(3.29,15.97) 3.09,15.78 C3#17.1 ; C3#13.1 79.29,53.88 v1(79.49,54.07)
/Keyboard/sheet605ED2EB/4V2: length 482.3
  Top w0.5: 81.75,32.45 v1(81.75,32.25) ; 43.65,75.31 v1(43.65,75.11) ; 62.7,15.78 v1(62.7,15.58) ; 5.55,32.45 v1(5.55,32.25) ; 20.41,34.89 27.48,34.89 v1(27.98,34.4) 28.85,33.52 30.11,33.52 30.55,33.08 32.43,33.08 34.3,34.96 36.86,34.96 39.18,37.27 46.53,37.27 v1(47.03,36.78) 47.9,35.91 49.16,35.91 49.6,35.46 51.48,35.46 53.35,37.34 55.78,37.34 58.23,34.89 65.58,34.89 v1(66.08,34.4) 66.95,33.52 68.21,33.52 68.65,33.08 70.53,33.08 72.41,34.96 74.34,34.96 76.79,32.51 84.63,32.51 v1(85.13,32.02) 86,31.14 87.26,31.14 87.7,30.7 89.58,30.7 91.45,32.58 93.98,32.58 ; 20.41,34.89 20.1,34.89 17.78,32.58 15.25,32.58 13.38,30.7 11.5,30.7 11.06,31.14 9.8,31.14 v1(8.93,32.02) 8.43,32.51 1.08,32.51 J3#4.3 ; 20.41,34.89 20.13,34.89 ; 62.7,72.93 v1(62.7,72.73) ; 5.55,70.55 v1(5.55,70.35) ; 20.41,72.99 27.48,72.99 v1(27.98,72.5) 28.85,71.62 30.11,71.62 30.55,71.18 32.43,71.18 34.3,73.06 36.86,73.06 39.18,75.37 46.53,75.37 v1(47.03,74.88) 47.9,74.01 49.16,74.01 49.6,73.56 51.48,73.56 53.35,75.44 55.78,75.44 58.23,72.99 65.58,72.99 v1(66.08,72.5) 66.95,71.62 68.21,71.62 68.65,71.18 70.53,71.18 72.41,73.06 74.34,73.06 76.79,70.61 84.63,70.61 v1(85.13,70.12) 86,69.24 87.26,69.24 87.7,68.8 89.58,68.8 91.45,70.67 93.98,70.67 ; 20.41,72.99 20.1,72.99 17.78,70.67 15.25,70.67 13.38,68.8 11.5,68.8 11.06,69.24 9.8,69.24 v1(8.93,70.12) 8.43,70.61 1.08,70.61 J3.3 ; 20.41,72.99 20.13,72.99 ; 43.65,37.21 v1(43.65,37.01) ; 93.98,51.62 91.45,51.62 89.58,49.75 87.7,49.75 87.26,50.19 86,50.19 v1(85.13,51.07) 84.63,51.56 76.79,51.56 74.34,54.01 72.41,54.01 70.53,52.13 68.65,52.13 68.21,52.57 66.95,52.57 v1(66.08,53.45) 65.58,53.94 58.23,53.94 55.78,56.39 53.35,56.39 51.48,54.51 49.6,54.51 49.16,54.96 47.9,54.96 v1(47.03,55.83) 46.53,56.32 39.18,56.32 36.86,54.01 34.3,54.01 32.43,52.13 30.55,52.13 30.11,52.57 28.85,52.57 v1(27.98,53.45) 27.48,53.94 20.41,53.94 ; J3#2.3 1.08,13.46 8.43,13.46 v1(8.93,12.97) 9.8,12.09 11.06,12.09 11.5,11.65 13.38,11.65 15.25,13.53 17.78,13.53 20.1,15.84 20.41,15.84 ; 20.13,15.84 20.41,15.84 ; 20.41,15.84 27.48,15.84 v1(27.98,15.35) 28.85,14.47 30.11,14.47 30.55,14.03 32.43,14.03 34.3,15.91 36.86,15.91 39.18,18.22 46.53,18.22 v1(47.03,17.73) 47.9,16.86 49.16,16.86 49.6,16.41 51.48,16.41 53.35,18.29 55.78,18.29 58.23,15.84 65.58,15.84 v1(66.08,15.35) 66.95,14.47 68.21,14.47 68.65,14.03 70.53,14.03 72.41,15.91 74.34,15.91 76.79,13.46 84.63,13.46 v1(85.13,12.97) 86,12.09 87.26,12.09 87.7,11.65 89.58,11.65 91.45,13.53 93.98,13.53 ; 81.75,13.4 v1(81.75,13.2) ; 43.65,18.16 v1(43.65,17.96) ; J3#3.3 1.08,51.56 8.43,51.56 v1(8.93,51.07) 9.8,50.19 11.06,50.19 11.5,49.75 13.38,49.75 15.25,51.62 17.78,51.62 20.1,53.94 20.41,53.94 ; 24.6,53.88 v1(24.6,53.68) ; 5.55,51.5 v1(5.55,51.3) ; 24.6,34.83 v1(24.6,34.63) ; 20.41,53.94 20.13,53.94 ; 81.75,51.5 v1(81.75,51.3) ; 24.6,15.78 v1(24.6,15.58) ; 62.7,53.88 v1(62.7,53.68) ; 62.7,34.83 v1(62.7,34.63) ; 24.6,72.93 v1(24.6,72.73) ; 81.75,70.55 v1(81.75,70.35) ; 43.65,56.26 v1(43.65,56.06) ; 5.55,13.4 v1(5.55,13.2)
  Bottom w0.3: J1#11.8 9.28,32.68 8.93,32.33 v1(8.93,32.02) ; 43.31,36.63 43.65,36.97 v1(43.65,37.01) ; v1(47.03,74.88) 47.03,75.2 47.38,75.54 J1#4.8 ; 24.26,53.3 24.6,53.64 v1(24.6,53.68) ; J1.8 9.28,70.78 8.93,70.43 v1(8.93,70.12) ; 62.36,72.35 62.7,72.69 v1(62.7,72.73) ; 24.26,34.25 24.6,34.59 v1(24.6,34.63) ; v1(81.75,13.2) 81.75,13.16 81.41,12.81 ; 43.31,55.68 43.65,56.02 v1(43.65,56.06) ; v1(85.13,12.97) 85.13,13.28 85.47,13.63 J1#19.8 ; v1(47.03,36.78) 47.03,37.1 47.38,37.44 J1#9.8 ; 5.21,50.91 5.55,51.26 v1(5.55,51.3) ; 24.26,72.35 24.6,72.69 v1(24.6,72.73) ; v1(8.93,12.97) 8.93,13.28 9.28,13.63 J1#15.8 ; 81.41,50.91 81.75,51.26 v1(81.75,51.3) ; J1#17.8 66.43,73.16 66.08,72.81 v1(66.08,72.5) ; v1(5.55,13.2) 5.55,13.16 5.21,12.81 ; J1#3.8 47.38,56.49 47.03,56.15 v1(47.03,55.83) ; J1#12.8 28.33,73.16 27.98,72.81 v1(27.98,72.5) ; v1(66.08,34.4) 66.08,34.71 66.43,35.06 J1#8.8 ; 81.41,31.86 81.75,32.21 v1(81.75,32.25) ; J1#10.8 28.33,16.01 27.98,15.66 v1(27.98,15.35) ; v1(85.13,51.07) 85.13,51.38 85.47,51.73 J1#18.8 ; 62.36,34.25 62.7,34.59 v1(62.7,34.63) ; v1(24.6,15.58) 24.6,15.54 24.26,15.2 ; J1#13.8 66.43,16.01 66.08,15.66 v1(66.08,15.35) ; v1(8.93,51.07) 8.93,51.38 9.28,51.73 J1#7.8 ; 62.36,53.3 62.7,53.64 v1(62.7,53.68) ; J1#20.8 28.33,54.11 27.98,53.76 v1(27.98,53.45) ; v1(85.13,32.02) 85.13,32.33 85.47,32.68 J1#14.8 ; 81.41,69.96 81.75,70.31 v1(81.75,70.35) ; v1(43.65,17.96) 43.65,17.92 43.31,17.58 ; v1(43.65,75.11) 43.65,75.07 43.31,74.73 ; v1(5.55,32.25) 5.55,32.21 5.21,31.86 ; 5.21,69.96 5.55,70.31 v1(5.55,70.35) ; J1#5.8 28.33,35.06 27.98,34.71 v1(27.98,34.4) ; J1#6.8 85.47,70.78 85.13,70.43 v1(85.13,70.12) ; v1(62.7,15.58) 62.7,15.54 62.36,15.2 ; J1#2.8 66.43,54.11 66.08,53.76 v1(66.08,53.45) ; v1(47.03,17.73) 47.03,18.05 47.38,18.39 J1#16.8
/Keyboard/sheet605ED2EB/5V: length 416.2
  Top w0.5: 93.6,36.19 93.98,36.58 ; 93.6,55.24 93.98,55.62 ; J3#2.1 1.4,17.14 4.69,17.14 5.59,18.03 9.32,18.03 10.25,17.11 11.84,17.11 12.24,16.71 12.83,16.71 13.26,17.14 18.95,17.14 21.33,19.52 23.74,19.52 24.63,20.42 28.37,20.42 29.3,19.49 30.89,19.49 31.29,19.09 31.88,19.09 32.31,19.52 37.89,19.52 40.27,21.9 42.79,21.9 43.69,22.8 47.42,22.8 48.35,21.87 49.94,21.87 50.34,21.47 50.93,21.47 51.36,21.9 54.75,21.9 57.13,19.52 61.84,19.52 62.74,20.42 66.47,20.42 67.4,19.49 68.99,19.49 69.39,19.09 69.98,19.09 70.41,19.52 73.76,19.52 76.14,17.14 80.89,17.14 81.78,18.03 85.52,18.03 86.45,17.11 88.04,17.11 88.44,16.71 89.03,16.71 89.46,17.14 93.85,17.14 J4.1 ; J4#3.1 93.85,55.24 89.46,55.24 89.03,54.81 88.44,54.81 88.04,55.21 86.45,55.21 85.52,56.13 81.78,56.13 80.89,55.24 76.14,55.24 73.76,57.62 70.41,57.62 69.98,57.19 69.39,57.19 68.99,57.59 67.4,57.59 66.47,58.52 62.74,58.52 61.84,57.62 57.13,57.62 54.75,60 51.36,60 50.93,59.57 50.34,59.57 49.94,59.97 48.35,59.97 47.42,60.9 43.69,60.9 42.79,60 40.27,60 37.89,57.62 32.31,57.62 31.88,57.19 31.29,57.19 30.89,57.59 29.3,57.59 28.37,58.52 24.63,58.52 23.74,57.62 21.33,57.62 18.95,55.24 13.26,55.24 12.83,54.81 12.24,54.81 11.84,55.21 10.25,55.21 9.32,56.13 5.59,56.13 4.69,55.24 1.4,55.24 J3#3.1 ; J3#4.1 1.4,36.19 4.69,36.19 5.59,37.08 9.32,37.08 10.25,36.16 11.84,36.16 12.24,35.76 12.83,35.76 13.26,36.19 18.95,36.19 21.33,38.57 23.74,38.57 24.63,39.47 28.37,39.47 29.3,38.54 30.89,38.54 31.29,38.14 31.88,38.14 32.31,38.57 37.89,38.57 40.27,40.95 42.79,40.95 43.69,41.85 47.42,41.85 48.35,40.92 49.94,40.92 50.34,40.52 50.93,40.52 51.36,40.95 54.75,40.95 57.13,38.57 61.84,38.57 62.74,39.47 66.47,39.47 67.4,38.54 68.99,38.54 69.39,38.14 69.98,38.14 70.41,38.57 73.76,38.57 76.14,36.19 80.89,36.19 81.78,37.08 85.52,37.08 86.45,36.16 88.04,36.16 88.44,35.76 89.03,35.76 89.46,36.19 93.85,36.19 J4#2.1 ; J4#4.1 93.85,74.29 89.46,74.29 89.03,73.86 88.44,73.86 88.04,74.26 86.45,74.26 85.52,75.19 81.78,75.19 80.89,74.29 76.14,74.29 73.76,76.67 70.41,76.67 69.98,76.24 69.39,76.24 68.99,76.64 67.4,76.64 66.47,77.57 62.74,77.57 61.84,76.67 57.13,76.67 54.75,79.05 51.36,79.05 50.93,78.62 50.34,78.62 49.94,79.02 48.35,79.02 47.42,79.95 43.69,79.95 42.79,79.05 40.27,79.05 37.89,76.67 32.31,76.67 31.88,76.24 31.29,76.24 30.89,76.64 29.3,76.64 28.37,77.57 24.63,77.57 23.74,76.67 21.33,76.67 18.95,74.29 13.26,74.29 12.83,73.86 12.24,73.86 11.84,74.26 10.25,74.26 9.32,75.19 5.59,75.19 4.69,74.29 1.4,74.29 J3.1 ; 93.6,17.14 93.98,17.53 ; 1.27,36.58 1.64,36.21 ; 93.6,74.3 93.98,74.67 ; 1.27,74.67 1.64,74.31 ; 1.27,55.62 1.64,55.26 ; 1.27,17.53 1.64,17.16
